# Altium PCB pcb_82.PcbDoc (part 2 of 2)
Units mil, origin at the board's own origin, x right, y up, seen from the top; angles counter-clockwise.
Board outline 3228.21 x 3071.33 mil, 4 copper layers (Top Layer, Layer 1, Layer 2, Bottom Layer), stack 61.855 mil thick; 164 components, 110 nets, 549 pads, 192 vias.
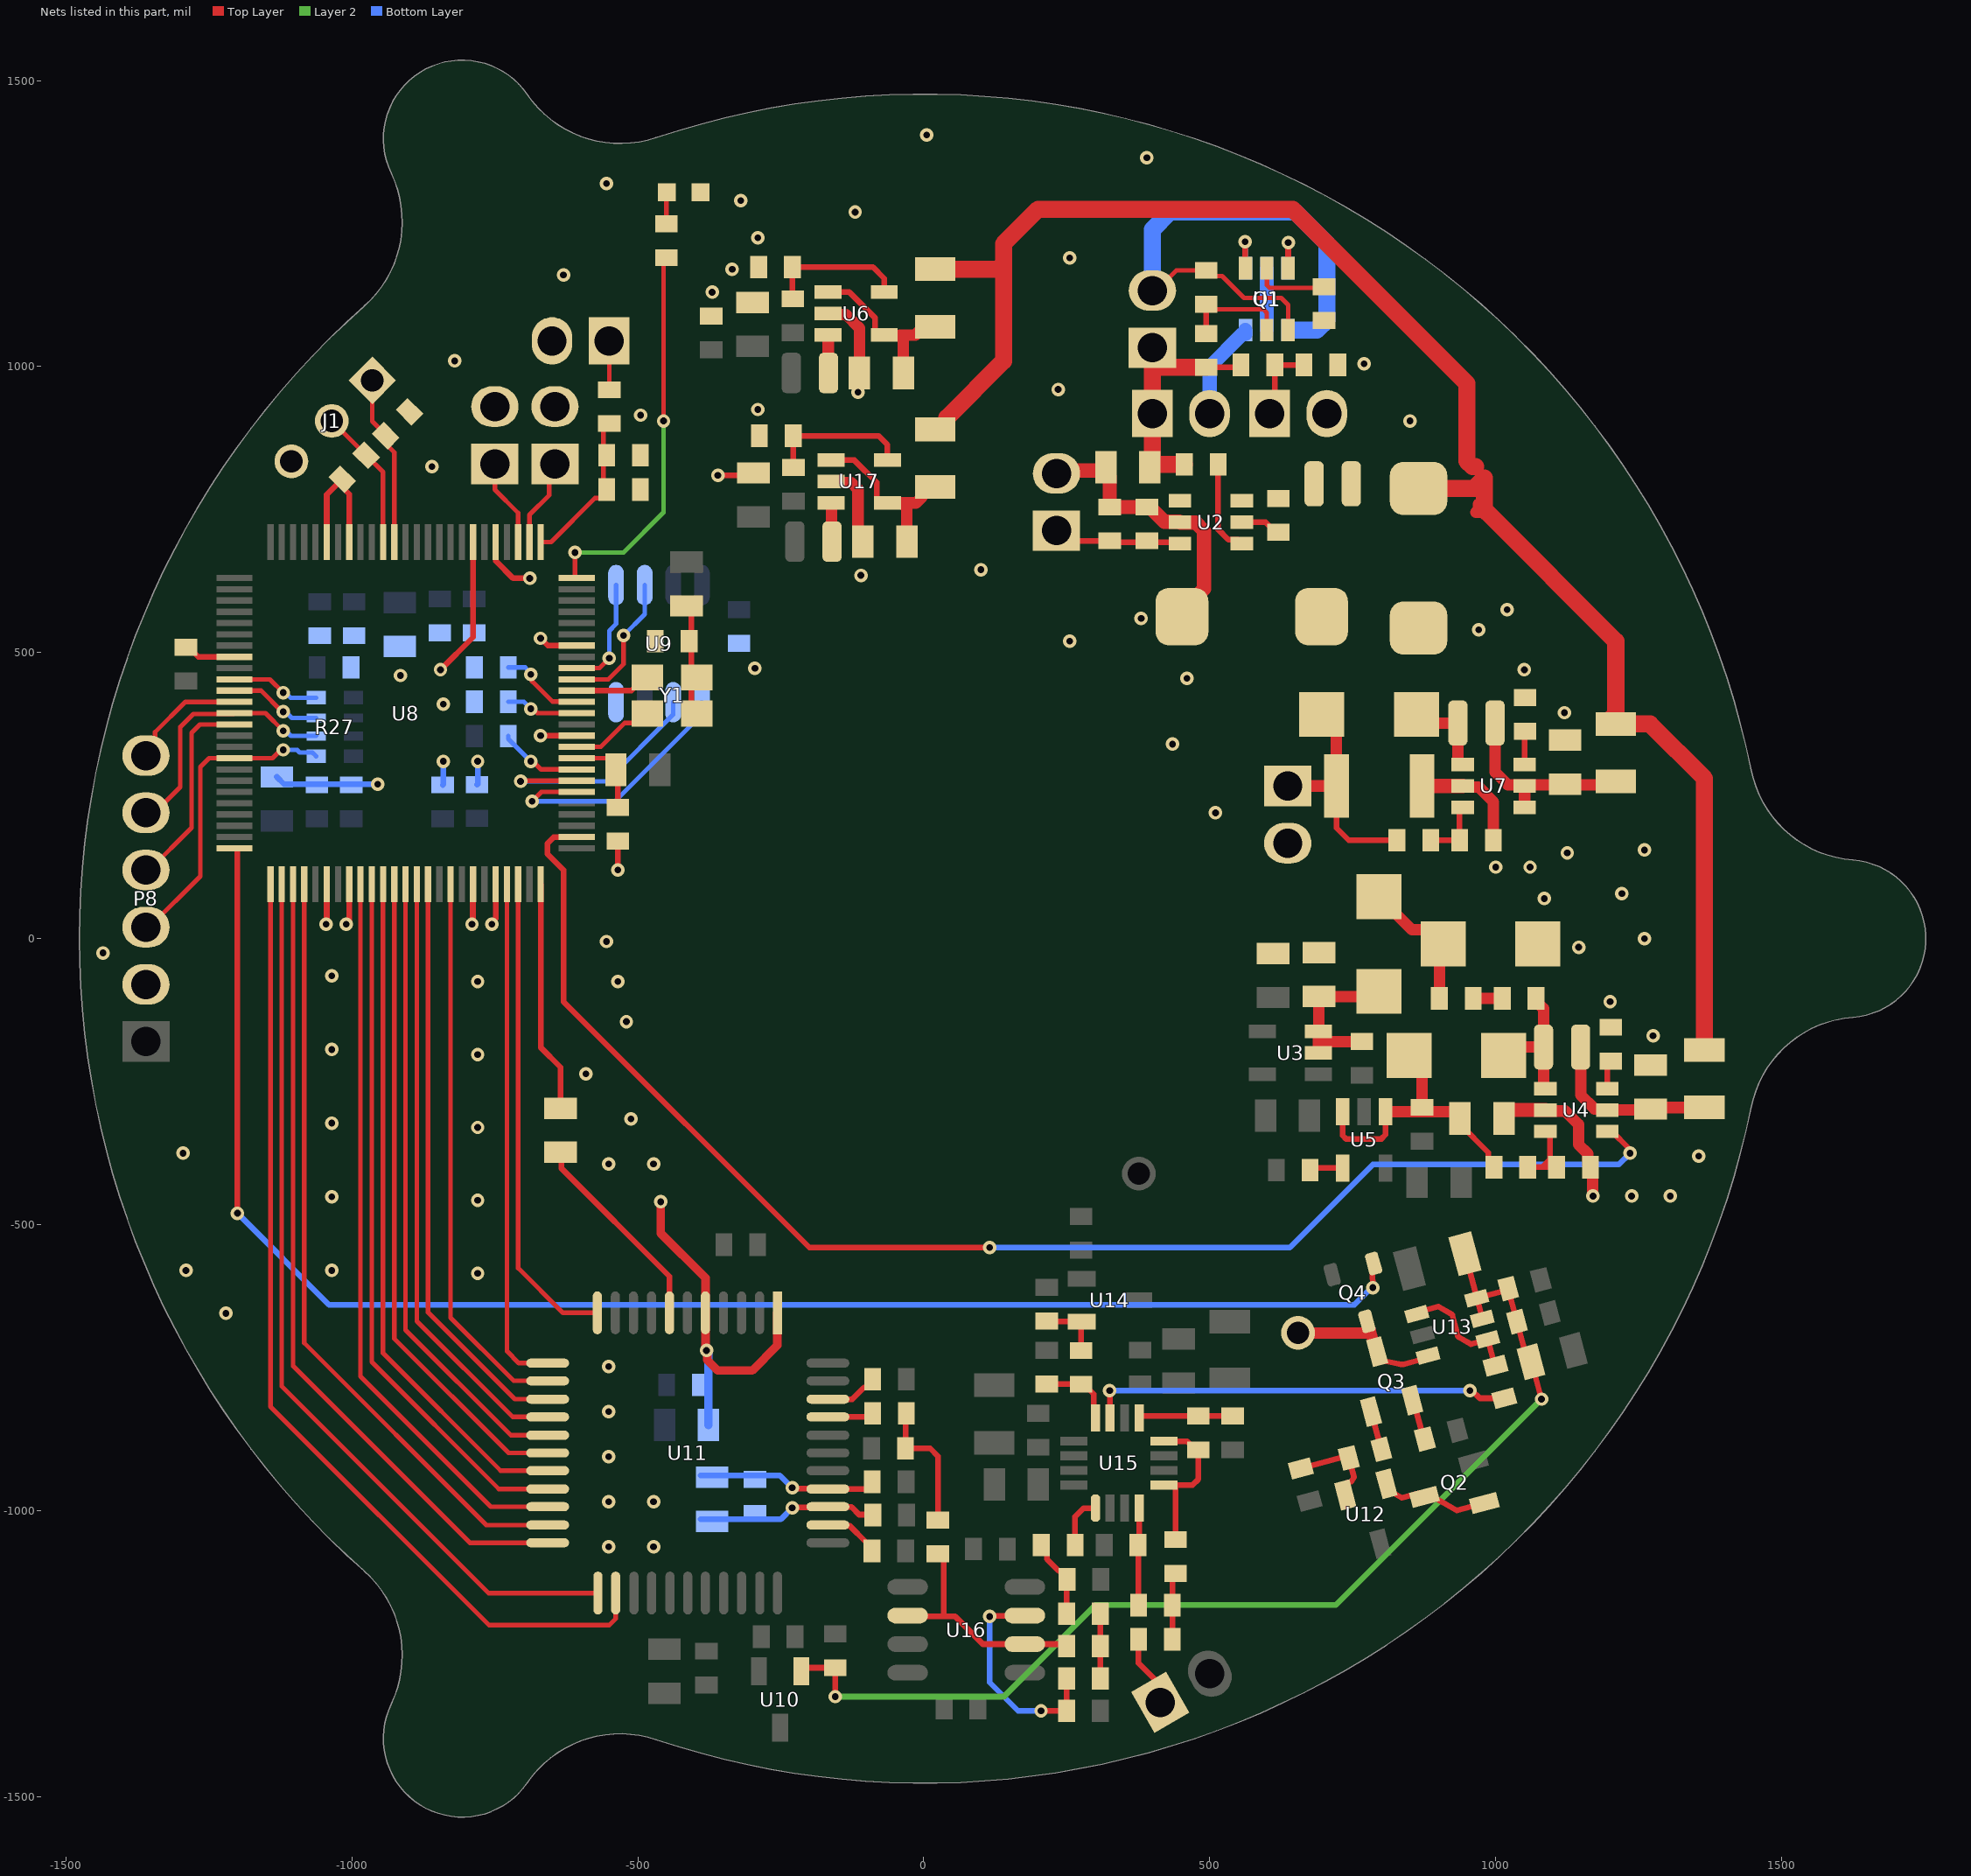
[diagram p4: the nets of this part, all layers, seen from the top]

## Via types
v1: diameter 23.62, hole 11.81, Top Layer to Bottom Layer, tented both sides, 188 vias
v2: diameter 23.62, hole 11.81, Top Layer to Bottom Layer, 4 vias

## Nets (pads, with @x,y where several pads share a name; then routed paths per layer and width w, separated by ;. In a path a pad name is that pad's centre, name@x,y a point inside that pad or via, vN(x,y) a via of type N, cw(c..) or ccw(c..) an arc to the next point about the centre after c; other vN are vias at no path point) (continued)
CS: U8.6 U9.1 | length 466.4
  Top Layer w8: v1(-685,240) -668.59,256.41 U8.6@-606.85,256.41
  Bottom Layer w8: v1(-685,240) -539.69,240 -388.03,391.66 U9.1@-388.03,413.32
D0: U8.98 U11.11 | length 841.7
  Top Layer w8: U8.98@-709.22,94.99 -709.22,-575.78 -630.96,-654.04 U11.11@-570.71,-654.04
D1: U8.97 U11.12 | length 895.9
  Top Layer w8: U8.97@-728.9,94.99 -728.9,-721.1 -707.96,-742.04 U11.12@-657.75,-742.04
D2: U8.92 U11.13 | length 973
  Top Layer w8: U8.92@-827.33,94.99 -827.33,-662.67 -716.96,-773.04 U11.13@-657.75,-773.04
D3: U8.90 U11.14 | length 1020.1
  Top Layer w8: U8.90@-866.7,94.99 -866.7,-653.3 -714.96,-805.04 U11.14@-657.75,-805.04
D4: U8.89 U11.15 | length 1061.6
  Top Layer w8: U8.89@-886.38,94.99 -886.38,-668.62 -718.96,-836.04 U11.15@-657.75,-836.04
D5: U8.88 U11.16 | length 1103.5
  Top Layer w8: U8.88@-906.07,94.99 -906.07,-683.93 -721.96,-868.04 U11.16@-657.75,-868.04
D6: U8.87 U11.17 | length 1145
  Top Layer w8: U8.87@-925.75,94.99 -925.75,-699.25 -725.96,-899.04 U11.17@-657.75,-899.04
D7: U8.86 U11.18 | length 1192.4
  Top Layer w8: U8.86@-945.44,94.99 -945.44,-724.56 -739.96,-930.04 U11.18@-657.75,-930.04
D8: U8.85 U11.19 | length 1234.3
  Top Layer w8: U8.85@-965.12,94.99 -965.12,-739.88 -742.96,-962.04 U11.19@-657.75,-962.04
D9: U8.84 U11.20 | length 1281.6
  Top Layer w8: U8.84@-984.81,94.99 -984.81,-765.19 -756.96,-993.04 U11.20@-657.75,-993.04
D10: U8.79 U11.21 | length 1359.1
  Top Layer w8: U8.79@-1083.23,94.99 -1083.23,-706.77 -764.96,-1025.04 U11.21@-657.75,-1025.04
D11: U8.78 U11.22 | length 1415.2
  Top Layer w8: U8.78@-1102.92,94.99 -1102.92,-747.08 -793.96,-1056.04 U11.22@-657.75,-1056.04
D12: U8.77 U11.23 | length 1580
  Top Layer w8: U8.77@-1122.6,94.99 -1122.6,-782.4 -760.96,-1144.04 U11.23@-569.75,-1144.04
D13: U8.76 U11.24 | length 1724
  Top Layer w8: U8.76@-1142.29,94.99 -1142.29,-817.71 -760,-1200 -550,-1200 -538.75,-1188.75 U11.24@-538.75,-1144.04
DATA0: U8.7 U9.2 | length 435.5
  Top Layer w8: v1(-705,275) -703.91,276.09 U8.7@-606.85,276.09
  Bottom Layer w8: v1(-705,275) -554.69,275 -438.03,391.66 U9.2@-438.03,413.32
DCLK: U8.16 U9.6 | length 246.3
  Top Layer w8: U8.16@-606.85,453.26 -551.74,453.26 -525,480 v1(-525,530)
  Bottom Layer w8: v1(-525,530) -488.03,566.97 U9.6@-488.03,618.04
DI: U8.17 U9.5 | length 196.9
  Top Layer w8: U8.17@-606.85,472.94 -567.06,472.94 v1(-550,490)
  Bottom Layer w8: v1(-550,490) -550,538.17 -538.03,550.14 U9.5@-538.03,618.04
GND: B1.2 C1.1 C4.1 C5.2 C6.2 C8.2 C11.1 C12.1 C15.1 C16.1 C17.1 C18.1 C19.1 C20.1 C23.2 C24.1 C26.1 C27.1 C28.1 C29.1 C30.1 C31.1 C32.1 C33.2 C34.1 C35.1 C36.1 C37.1 C38.1 C39.1 C40.1 C46.1 C47.1 D1.2 D3.2 J1.3 P1.2 P2.2 P3.2 P4.2 P5.2 P6.2 P7.2 P8.2 Q1.3 R2.2 R5.1 R6.2 R12.1 R13.1 R16.1 R18.1 R19.1 R21.1 R24.2 R25.2 R26.2 R28.1 R47.1 U2.2 U4.2 U6.2 U7.2 U8.11 U8.15 U8.19 U8.30 U8.32 U8.43 U8.45 U8.58 U8.81 U8.83 U8.94 U8.96 U9.4 U11.1 U11.5 U17.2 Y1.2 | length 3727.5
  Top Layer w10: C32.1@-1290,509.53 -1285.08,509.53 -1268.18,492.63 U8.58@-1205.28,492.63 ; v1(-1045,25) -1043.86,26.14 U8.81@-1043.86,94.99 ; U8.45@-1043.86,693.42 -1043.86,776.14 R24.2@-1016.76,803.24 -1016.76,789.43 -1004.49,777.17 U8.43@-1004.49,693.42 ; v1(-1010,25) -1004.49,30.51 U8.83@-1004.49,94.99 ; v1(-845,470) -787.96,527.04 U8.32@-787.96,693.42 ; v1(-790,25) -788.46,26.54 -788.46,94.49 U8.94@-787.96,94.99 ; v1(-755,25) -755,28.69 -748.59,35.1 U8.96@-748.59,94.99 ; U8.30@-748.59,693.42 -748.09,692.92 -748.09,660.05 -717.96,629.92 v1(-688.98,629.92) ; v1(-670,355) -669.83,354.83 U8.11@-606.85,354.83 ; v1(-670,525) -657.31,512.31 U8.19@-606.85,512.31 ; U8.15@-606.85,433.57 -511.15,433.57 -488.23,456.5 Y1.2@-483.31,456.5 ; v1(-535,120) C23.2@-535,170.47 ; v1(-360,810) -301.98,810 C20.1@-297.93,814.05
  Top Layer w15: v1(-460,-460) -460,-515 -381.75,-593.25 U11.5@-381.75,-654.04 -381.56,-654.23 -381.56,-718.44 -378.35,-721.65 -378.35,-736.65 -360,-755 -300,-755 -256.05,-711.05 -256.05,-654.34 U11.1@-255.75,-654.04
  Top Layer w20: U6.2@-167.53,1092.7 -165.72,1090.89 -135.89,1090.89 -112.52,1067.52 C15.1@-112.52,988.84 ; U17.2@-162.14,799.05 -160.33,797.24 -126.72,797.24 -115,785.53 -115,702.74 C19.1@-106.31,694.05 ; U7.2@942.18,266.93 944,265.12 969.88,265.12 995.85,239.15 R19.1@995.85,171.93 ; U4.2@1086.82,-299.51 1088.64,-301.32 1121.32,-301.32 1145,-325 1145,-360 1160.72,-375.72 1160.72,-394.74 R13.1@1165.49,-399.51 1169.31,-403.33 1169.31,-449.31 v1(1170,-450)
  Top Layer w25: P2.2@232.02,813.2 237.37,818.55 313.25,818.55 C1.1@318.59,823.89 318.59,814.05 325,807.64 R5.1@325,754.53 C4.1@390,754.53 394.92,754.53 420.56,728.89 447.2,728.89 448.58,727.51 475.36,727.51 490,712.87 490,611.42 451.32,572.74 C5.2@451.32,563.05 ; C18.1@871.12,266.93 U7.2@942.18,266.93 ; C12.1@1014.34,-314.51 1014.34,-305.71 1020.54,-299.51 U4.2@1086.82,-299.51
  Bottom Layer w10: C26.1@-1131.07,282.59 -1118.48,270 v1(-955,270) ; C34.1@-841.07,268.73 -840,269.8 v1(-840,310) ; C28.1@-781.07,269.2 -780,270.27 v1(-780,310)
  Bottom Layer w15: v1(-380,-720) -376.61,-720 C46.1@-376.61,-850
  Bottom Layer w25: P1.2@499.65,917.93 499.65,999.65 556.61,1056.61 561.56,1056.61 562.25,1057.3 Q1.3@562.25,1063.8
  other v1: -551.18,-1062.99 -472.44,-1062.99 -551.18,-984.25 -472.44,-984.25 -551.18,-905.51 -551.18,-826.77 -551.18,-748.03 -1220,-655 -780,-585 -1290,-580 -1035,-580 -780,-457.5 -1035,-451.25 1237.53,-450 1305.07,-450 -551.18,-393.7 -472.44,-393.7 1355,-380 -1295,-375 -780,-330 -1035,-322.5 -511.81,-314.96 -590.55,-236.22 -780,-202.5 -1035,-193.75 1275,-170 -520,-145 1200,-110 -780,-75 -535,-75 -1035,-65 -1435,-25 1145,-15 -555,-5 1259.84,0 1085,70 1220.47,78.74 1000,125 1060,125 1125,150 1260,155 510,220 435,340 1120,395 -840,410 460,455 -915,460 1050,470 -295.28,472.44 255,520 970,540 380,560 1020,575 -110,635 100,645 -860,825 850,905 -495,915 -290,925 -115,955 235,960 770,1005 -820,1010 -370,1130 -630,1160 -335,1170 255,1190 -290,1225 -120,1270 -320,1290 -555,1320 390,1365 5,1405
NetB2_1: B2.1 C23.1 U8.9 | length 153.7
  Top Layer w8: U8.9@-606.85,315.46 -537.09,315.46 B2.1@-525,303.38
  Top Layer w10: B2.1@-538.39,295 -535,291.61 C23.1@-535,229.53
NetB3_2: B3.2 C40.2 Y1.1 Y1.4 | length 191.6
  Top Layer w10: B3.2@-415,581.61 -406.69,573.31 Y1.4@-406.69,393.5
NetB4_1: B4.1 U8.100 | length 406
  Top Layer w10: U8.100@-669.85,94.99 -669.85,-190.15 -635,-225 B4.1@-635,-296.61
NetB4_2: B4.2 U11.7 | length 359.5
  Top Layer w10: B4.2@-635,-373.39 -633.77,-374.62 -633.77,-401.23 -444.73,-590.27 U11.7@-444.73,-654.04
NetBT1_2: BT1.2 C2.1 Q1.1 U1.6 | length 964.4
  Top Layer w8: BT1.2@399.65,1132.93 406.56,1132.93 441.72,1168.09 C2.1@493.55,1168.09 503.31,1158.33 521.67,1158.33 560,1120 625,1120 637.05,1107.95 U1.6@637.05,1063.8
  Bottom Layer w30: BT1.2@399.65,1132.93 399.65,1239.65 430,1270 650,1270 705,1215 705,1081.37 687.43,1063.8 650,1063.8
NetC2_2: C2.2 R1.2 U1.5 | length 194
  Top Layer w8: C2.2@493.55,1105 C2.2@493.55,1109.04 502.59,1100 593.79,1100 599.65,1094.14 U1.5@599.65,1063.8
  Top Layer w10: R1.2@493.55,1057.62 C2.2@493.55,1105
NetC3_1: C3.1 U2.4 | length 165.1
  Top Layer w10: C3.1@514.65,828.8 514.65,715.35 532.39,697.61 549.35,697.61 U2.4@556.16,690.8
NetC4_2: C4.2 P2.1 R5.2 U2.3 | length 225.1
  Top Layer w10: P2.1@232.02,713.2 249.75,695.47 R5.2@325,695.47 327.34,693.14 445.55,693.14 U2.3@447.89,690.8
NetC5_1: C5.1 L1.1 R3.2 U2.6
NetC8_1: C8.1 C9.1 D2.1 U3.2 U3.3 | length 300.5
  Top Layer w20: U3.2@690.17,-199.51 U3.3@690.17,-162.11 ; 690.56,-180 690.56,-101.67 C8.1@690.96,-101.28 786.86,-101.28 D2.1@795.96,-92.18 ; 690.59,-179.98 C9.1@765.96,-179.98
NetC10_1: C10.1 D2.2 D3.1 | length 244.4
  Top Layer w20: D2.2@795.96,73.17 853.61,15.52 883.26,15.52 D3.1@908.28,-9.51 901.43,-16.36 C10.1@901.43,-104.51
NetC10_2: C10.2 R8.2 | length 50.9
  Top Layer w20: C10.2@960.49,-104.51 R8.2@1011.43,-104.51
NetC11_2: C11.2 L2.1 L3.2 U4.5 | length 313.1
  Top Layer w20: L2.1@1148.44,-189.51 1148.44,-273.44 1172.69,-297.69 1193.28,-297.69 U4.5@1195.09,-299.51 1269.11,-299.51 1273.42,-295.2 L3.2@1365,-295.2
NetC12_2: C12.2 C13.1 D4.2 R10.2 U5.1 U5.3 | length 508.6
  Top Layer w10: U5.3@732.38,-302.6 732.38,-344.14 738.24,-350 800,-350 807.18,-342.82 U5.1@807.18,-302.6 ; C12.2@937.57,-314.51 937.57,-324.35 987.14,-373.91 987.14,-389.74 R10.2@996.9,-399.5
  Top Layer w20: U5.1@807.18,-302.6 928.87,-302.6 937.57,-311.3 C12.2@937.57,-314.51 ; D4.2@848.28,-204.51 870.96,-227.18 C13.1@870.96,-294.98
NetC15_2: C15.2 L4.2 U6.1 U6.4 | length 262
  Top Layer w10: U6.1@-167.53,1130.1 -130.1,1130.1 -85,1085 -85,1062.11 -78.19,1055.3 U6.4@-69.11,1055.3
  Top Layer w20: C15.2@-35.74,988.84 -35.74,1049.09 -41.95,1055.3 -14.8,1055.3 -4.13,1065.97 L4.2@-4.13,1073.84
NetC17_2: C17.2 L9.1 L10.2 U7.4 U7.5 | length 347.6
  Top Layer w20: L9.1@998.8,376.93 998.8,291.2 1021.26,268.74 1048.64,268.74 U7.5@1050.45,266.93 ; U7.4@1050.45,229.53 U7.5@1050.45,266.93 ; L10.2@1210,274.8 1203.94,268.74 1121.32,268.74 1052.26,268.74 U7.5@1050.45,266.93
NetC18_2: C18.2 D5.2 P4.1 R17.2 | length 408.9
  Top Layer w10: C18.2@721.52,266.93 721.52,193.48 743.07,171.93 R17.2@827.26,171.93
  Top Layer w20: P4.1@636.32,266.93 C18.2@721.52,266.93 721.52,366.38 D5.2@695.96,391.93
NetC19_2: C19.2 L11.2 U17.1 U17.4 | length 264.6
  Top Layer w10: U17.1@-162.14,836.45 -121.45,836.45 -82.34,797.34 -82.34,768.46 -75.53,761.65 U17.4@-63.72,761.65
  Top Layer w20: C19.2@-29.54,694.05 -29.6,694.11 -29.6,752.6 -38.66,761.65 -13.6,761.65 -2.93,772.32 L11.2@-2.93,779.05
NetC21_2: C21.2 U5.4 | length 58.3
  Top Layer w10: C21.2@675.49,-404.51 678.97,-401.02 U5.4@732.38,-401.02
NetC24_2: C24.2 R22.1 R47.2 U8.26 | length 273.2
  Top Layer w8: U8.26@-669.85,693.42 -651.58,693.42 -574.97,770.03 -565.29,770.03 -560,775.32 -560,845 -560,890.71 -550.24,900.47 R22.1@-550,900.47
NetC48_2: C48.2 C49.2 C50.2 C51.2 L7.2 U10.1 U13.5 U13.6 | length 1936
  Top Layer w10: U10.1@-213.78,-1280.76 -207.54,-1274.53 C51.2@-155,-1274.53 v1(-155,-1325) ; L7.2@946.27,-550.93 U13.6@967.04,-628.45 ; U13.6@966.7,-628.54 U13.6@967.04,-628.45 ; U13.5@976.38,-664.67 976.63,-664.24 U13.6@967.04,-628.45 ; C48.2@1054.3,-733.51 C50.2@1037.19,-669.68 C49.2@1021.66,-611.72 1020.23,-614.2 U13.6@967.04,-628.45 ; C48.2@1061.59,-739.68 1068.53,-762.19 v1(1080,-805) v1@1080,-801.31
  Layer 2 w10: v1(-155,-1325) 140,-1325 300,-1165 720,-1165 v1(1080,-805)
NetC54_1: C54.1 C56.1 C58.1 U11.37 | length 316.6
  Top Layer w10: v1(-230,-960) -228.98,-961.02 -168.77,-961.02 U11.37@-167.75,-962.04 -99.96,-962.04 -90.2,-952.27 C58.1@-90.2,-949.34
  Bottom Layer w10: C56.1@-390,-938.36 -251.64,-938.36 v1(-230,-960)
NetC54_2: C54.2 C56.2 C57.1 U11.36 | length 316
  Top Layer w10: v1(-230,-995) -229.02,-994.02 -168.73,-994.02 U11.36@-167.75,-993.04 -167.13,-993.66 -126.34,-993.66 -113.12,-1006.88 -89.98,-1006.88 C57.1@-89.22,-1007.65
  Bottom Layer w10: C56.2@-390,-1015.13 -250.13,-1015.13 v1(-230,-995)
NetC59_1: C59.1 R41.1 U16.2 U16.6 | length 414.2
  Top Layer w10: U16.6@-28.1,-1183.27 -26.37,-1185 35,-1185 ; C59.1@24.59,-1075.42 25.24,-1075.42 35,-1085.18 35,-1185 ; R41.1@249.62,-1236.81 246.09,-1233.27 U16.2@176.62,-1233.27 103.27,-1233.27 55,-1185 35,-1185
NetC59_2: C59.2 R32.1 R36.2 | length 235.2
  Top Layer w10: R32.1@-31.94,-830 -31.94,-890.86 R36.2@-32.12,-891.04 11.04,-891.04 24.59,-904.59 C59.2@24.59,-1016.36
NetC60_2: C60.2 Q3.3 Q4.3 U13.3 | length 268.3
  Top Layer w10: 776.36,-689.19 Q4.3@780.75,-684.8 ; Q3.3@790.32,-720.52 Q3.3@792.49,-721.77 806.04,-738.43 834.31,-744.11 ccw(c836.28,-734.3) 838.87,-743.96 868.23,-736.1 U13.3@881.48,-728.82
  Top Layer w20: C60.2@654.19,-689.19 776.36,-689.19 ; Q4.3@780.75,-684.8 Q3.3@790.32,-720.52
NetC61_1: C61.1 R39.1 U14.2 | length 111.9
  Top Layer w10: C61.1@215.13,-668.54 215.68,-669.09 275.36,-669.09 U14.2@275.9,-669.63 275.13,-670.4 R39.1@275.13,-719.96
NetC63_1: C63.1 P9.1 | length 125.7
  Top Layer w10: C63.1@375.47,-1225 375.47,-1266.55 413.4,-1304.48 P9.1@413.4,-1335
NetC63_2: C63.2 C64.1 R40.2 | length 117.7
  Top Layer w10: C63.2@434.53,-1225 434.53,-1115 R40.2@440,-1109.53
NetC64_2: C64.2 R44.1 U15.4 | length 174.3
  Top Layer w10: R44.1@371.52,-1063.01 R44.1@374.53,-1060 ; C64.2@375.47,-1165 375.47,-1044.89 376.82,-1043.54 U15.4@376.82,-995.55
NetC65_1: C65.1 R43.1 R45.2 | length 142.1
  Top Layer w10: R43.1@205.47,-1060 215.24,-1069.76 215.24,-1084.76 235.79,-1105.32 240.71,-1105.32 250.47,-1115.08 R45.2@250.47,-1120 250.05,-1120.42 250.05,-1179.82 C65.1@249.63,-1180.24
NetC65_2: C65.2 C66.1 R41.2 | length 113.1
  Top Layer w10: C66.1@308.68,-1293.38 C65.2@308.68,-1180.24
NetC66_2: C66.2 R46.1 U16.3 | length 389.3
  Top Layer w10: v1(115,-1185) 115.86,-1184.14 175.76,-1184.14 U16.3@176.62,-1183.27 ; v1(205,-1350) 249.57,-1350 R46.1@249.63,-1349.95 C66.2@249.63,-1293.38
  Bottom Layer w10: v1(115,-1185) 115,-1300 165,-1350 v1(205,-1350)
NetC67_2: C67.2 R42.1 U15.9 | length 165.2
  Top Layer w10: U15.9@376.82,-838.07 376.82,-837.36 379.7,-834.49 C67.2@540.13,-834.49
NetD1_1: D1.1 R23.2 | length 55.7
  Top Layer w8: R23.2@-450,1249.53 -450,1304.53 D1.1@-449.53,1305
NetD4_1: D4.1 L2.2 R8.1 U4.1 | length 241.3
  Top Layer w20: D4.1@1013.64,-204.51 1028.64,-189.51 L2.2@1083.48,-189.51 ; R8.1@1070.49,-104.51 1070.49,-109.43 1083.48,-122.42 L2.2@1083.48,-189.51 ; U4.1@1086.82,-262.1 1085.29,-262.1 1083.48,-260.29 L2.2@1083.48,-189.51
NetD5_1: D5.1 L9.2 U7.1 | length 158.6
  Top Layer w20: D5.1@861.32,391.93 876.32,376.93 L9.2@933.84,376.93 933.84,306.14 935.65,304.33 U7.1@942.18,304.33
NetL8_1: L8.1 U6.3 | length 66.8
  Top Layer w20: U6.3@-167.53,1055.3 -167.09,1054.86 -167.09,989.28 L8.1@-166.65,988.84
NetL12_1: L12.1 U17.3 | length 68.3
  Top Layer w20: U17.3@-162.14,761.65 -161.3,760.81 -161.3,694.9 L12.1@-160.45,694.05
NetP3_1: P3.1 R4.2 R6.1 | length 139.7
  Top Layer w10: P3.1@604.65,917.93 613.7,926.99 R4.2@613.7,1002.93 R6.1@664.65,1002.93
NetP7_1: P7.1 R22.2 | length 85.5
  Top Layer w8: R22.2@-550,959.53 P7.1@-550,1045
NetQ1_2: Q1.2 Q1.5 | length 108.3
  Bottom Layer w25: Q1.2@599.65,1063.8 Q1.5@599.65,1172.07
NetQ1_4: Q1.4 U1.3 | length 93
  Top Layer w8: U1.3@561.97,1172.35 U1.3@562.25,1172.07
  Top Layer w10: v1(561.69,1218.31) 561.97,1218.03 U1.3@561.97,1172.35
  Bottom Layer w10: v1(561.69,1218.31) 561.97,1218.03 561.97,1172.35 Q1.4@562.25,1172.07
NetQ1_6: Q1.6 U1.1 | length 89.7
  Top Layer w8: U1.1@637.05,1172.07 U1.1@637.1,1172.12
  Top Layer w10: U1.1@637.1,1172.12 637.1,1216.83 v1(637.15,1216.88)
  Bottom Layer w10: Q1.6@637.05,1172.07 637.1,1172.12 637.1,1216.83 v1(637.15,1216.88)
NetQ2_1: Q2.1 Q2.3 U12.1 | length 194.9
  Top Layer w10: U12.1@809.01,-953.11 811.81,-963.57 835.82,-977.43 864.8,-969.67 Q2.3@875.55,-975.87 886.01,-973.07 931.82,-999.52 Q2.1@980.3,-986.53
NetQ3_1: Q3.1 R31.1 | length 68.8
  Top Layer w10: Q3.1@781.83,-826.52 782.21,-826.74 799.78,-892.33 R31.1@800.16,-892.55
NetQ3_2: Q3.2 R30.1 | length 72.6
  Top Layer w10: Q3.2@854.09,-807.16 856.4,-808.5 873.8,-873.42 R30.1@876.12,-874.76
NetQ4_1: Q4.1 U8.75 | length 2748.6
  Top Layer w10: U8.75@-1205.28,157.98 -1200,157.48 v1(-1200,-480) ; v1(785,-610) 784.22,-582.89 Q4.1@786.36,-568.06
  Bottom Layer w10: v1(-1200,-480) -1040,-640 752.71,-640 782.71,-610 v1(785,-610)
NetR2_1: R2.1 U1.2 | length 141.7
  Top Layer w8: U1.2@599.65,1172.07 600,1171.71 600,1142.15 604.69,1137.46 R2.1@709.65,1137.46
NetR3_1: R3.1 U2.5 | length 71.2
  Top Layer w10: U2.5@556.16,728.2 597.35,728.2 615.08,710.47 R3.1@620,710.47
NetR10_1: R10.1 R13.2 U4.3 | length 123
  Top Layer w10: R10.1@1055.96,-399.51 1081.19,-399.51 ; U4.3@1086.82,-336.91 1088.19,-336.91 1095,-343.72 1095,-385.7 1081.19,-399.51 ; R13.2@1106.43,-399.51 1081.19,-399.51
NetR12_2: R12.2 U4.6 | length 50.5
  Top Layer w10: U4.6@1195.09,-262.1 1195.09,-219.9 R12.2@1200.96,-214.03
NetR15_1: R15.1 R16.2 U6.5 | length 248.3
  Top Layer w10: R15.1@-229.13,1118.37 -229.6,1118.84 R16.2@-229.6,1173.84 -88.84,1173.84 -69.11,1154.11 U6.5@-69.11,1130.1
NetR17_1: R17.1 R19.2 U7.3 | length 110.3
  Top Layer w10: R17.1@886.32,171.93 R19.2@936.79,171.93 936.79,224.13 U7.3@942.18,229.53
NetR18_2: R18.2 U7.6 | length 58.4
  Top Layer w10: U7.6@1050.45,304.33 1050.45,361.53 R18.2@1051.32,362.4
NetR20_1: R20.1 R21.2 U17.5 | length 254
  Top Layer w10: R20.1@-227.93,823.58 -228.4,824.05 R21.2@-228.4,879.05 -79.05,879.05 -63.72,863.72 U17.5@-63.72,836.45
NetR23_1: R23.1 U8.25 | length 678.4
  Top Layer w8: v1(-610,675) -610,631.92 -608.5,630.42 U8.25@-606.85,630.42 ; v1(-455,905) -455,1185.47 R23.1@-450,1190.47
  Layer 2 w8: v1(-610,675) -525,675 -455,745 v1(-455,905)
NetR26_1: R26.1 U8.13 | length 128.1
  Top Layer w8: v1(-687.26,401.8) -684.65,399.19 -680.5,399.19 -675.52,394.2 U8.13@-606.85,394.2
  Bottom Layer w8: R26.1@-726.54,414.2 -699.41,414.2 -687.26,402.05 v1(-687.26,401.8)
NetR27_3: R27.3 U8.61 | length 162.6
  Top Layer w8: U8.61@-1205.28,433.57 -1158.57,433.57 -1121.67,396.67 v1(-1120,396.67)
  Bottom Layer w8: v1(-1120,396.67) -1115.77,396.67 -1104.85,385.75 R27.3@-1062.48,385.75
NetR27_4: R27.4 U8.60 | length 156.1
  Top Layer w8: U8.60@-1205.28,453.26 -1143.26,453.26 v1(-1120,430)
  Bottom Layer w8: v1(-1120,430) -1115.77,430 -1106.95,421.18 R27.4@-1062.48,421.18
NetR28_2: R28.2 U8.14 | length 151.7
  Top Layer w8: v1@-685,462.05 -684.65,461.7 -684.65,449.65 -649.39,414.39 -607.35,414.39 U8.14@-606.85,413.89
  Bottom Layer w8: R28.2@-726.54,474.2 -697.15,474.2 v1@-685,462.05
  other v1: -687.26,462.05
NetR29_2: R29.2 U8.8 | length 146.8
  Top Layer w8: v1(-687.26,310) -683.57,310 -669.35,295.78 U8.8@-606.85,295.78
  Bottom Layer w8: R29.2@-726.54,354.2 -726.54,349.28 v1(-687.26,310)
NetR31_2: R31.2 R35.2 U12.2 | length 162.3
  Top Layer w10: R35.2@659.12,-926.17 738.18,-904.98 R31.2@743.12,-907.83 752.09,-941.34 747.5,-949.29 740.16,-951.26 733.95,-962.01 U12.2@736.75,-972.47
NetR32_2: R32.2 U11.41 | length 80.7
  Top Layer w10: U11.41@-167.75,-836.04 -95.57,-836.04 R32.2@-89.53,-830
NetR33_2: R33.2 U11.42 | length 95.6
  Top Layer w10: U11.42@-167.75,-805.04 -125.04,-805.04 -104.68,-784.68 -99.29,-784.68 -89.53,-774.92 R33.2@-89.53,-770
NetR34_2: R34.2 U11.35 | length 98.6
  Top Layer w10: U11.35@-167.75,-1025.04 -166.6,-1026.19 -129.9,-1026.19 -100.5,-1055.59 -90.73,-1065.36 R34.2@-90.73,-1070.28
NetR37_1: R37.1 U13.1 U13.4 | length 213.4
  Top Layer w10: U13.1@862.12,-656.57 864.31,-652.77 899.52,-643.34 924.01,-657.48 934.36,-696.12 956.28,-708.78 U13.4@986.06,-700.8 998.04,-745.52 R37.1@999.6,-746.42
NetR37_2: R37.2 U15.11 | length 743.8
  Top Layer w10: v1(325,-790) 325.32,-790.32 325.32,-837.75 U15.11@325.64,-838.07 ; v1(955,-790) 958.69,-790 972.15,-803.46 R37.2@1014.89,-803.46
  Bottom Layer w10: v1(325,-790) v1(955,-790)
NetR38_1: R38.1 R39.2 U15.12 | length 132.5
  Top Layer w10: R38.1@215.13,-778.54 215.37,-778.78 274.89,-778.78 R39.2@275.13,-779.01 280.05,-779.01 297.19,-796.15 297.19,-835.21 U15.12@300.05,-838.07
NetR40_1: R40.1 R42.2 U15.5 U15.8 | length 278.9
  Top Layer w10: U15.5@420.13,-955.19 U15.5@435.88,-955.19 ; U15.8@420.13,-878.42 460.09,-878.42 475.21,-893.54 R42.2@480.13,-893.54 480.13,-944.87 469.81,-955.19 U15.5@435.88,-955.19 ; R40.1@440,-1050.47 440,-959.31 U15.5@435.88,-955.19
NetR43_2: R43.2 U15.1 | length 91.2
  Top Layer w10: R43.2@264.53,-1060 264.53,-1010.47 279.45,-995.55 U15.1@300.05,-995.55
NetU4_4: U4.4 U8.2 | length 2514.8
  Top Layer w10: U8.2@-606.85,177.67 -607.35,177.17 -647.18,177.17 -658.35,166 -658.35,148.35 -630,120 -630,-110 -200,-540 v1(115,-540) ; U4.4@1195.09,-336.91 1202.97,-336.91 1232.39,-366.33 1232.39,-372.39 v1(1235,-375)
  Bottom Layer w10: v1(115,-540) 640,-540 785,-395 1215,-395 v1(1235,-375)
NetU8_10: U8.10 Y1.3 | length 147.7
  Top Layer w8: U8.10@-606.85,335.15 -564.85,335.15 -522.99,377.01 -499.8,377.01 Y1.3@-483.31,393.5
PULSE1: J1.2 R24.1 U8.40 | length 248.7
  Top Layer w8: J1.2@-1035,905 R24.1@-975,845 -945.44,815.44 U8.40@-945.44,693.41
PULSE2: J1.1 R25.1 U8.39 | length 298.3
  Top Layer w8: J1.1@-964.29,975.71 -964.29,904.29 -940.88,880.88 -940.88,865.31 -925.75,850.19 U8.39@-925.75,693.41
TCK: P8.6 U8.62 | length 208.3
  Top Layer w8: P8.6@-1360,320 -1344.01,335.99 -1344.01,360.99 -1291.11,413.89 U8.62@-1205.28,413.89
TDI: P8.3 R27.1 U8.67 | length 542.4
  Top Layer w8: P8.3@-1360,20 -1354.09,20 -1265,109.09 -1265,300 -1249.54,315.46 U8.67@-1205.28,315.46 -1138.76,315.46 -1124.23,330 v1(-1120,330)
  Bottom Layer w8: v1(-1120,330) -1095.68,330 -1091.21,325.53 -1069.19,325.53 R27.1@-1062.48,318.82
TDO: P8.4 U8.64 | length 357.3
  Top Layer w8: P8.4@-1360,120 -1354.09,120 -1280,194.09 -1280,360 -1265.48,374.52 U8.64@-1205.28,374.52
TMS: P8.5 R27.2 U8.63 | length 447.7
  Top Layer w8: P8.5@-1360,220 -1345,220 -1300,265 -1300,370 -1277.3,392.7 -1206.78,392.7 U8.63@-1205.28,394.2 -1150.87,394.2 v1(-1120,363.33)
  Bottom Layer w8: v1(-1120,363.33) -1115.77,363.33 -1106.69,354.25 R27.2@-1062.48,354.25
TXD1: P5.1 U8.28 | length 153.5
  Top Layer w8: P5.1@-750,830 -750,785 -709.22,744.22 U8.28@-709.22,693.42
TXD2: P6.1 U8.27 | length 155
  Top Layer w8: U8.27@-689.53,693.41 -689.53,740.47 -655,775 -655,820 P6.1@-645,830
V_SW: C6.1 L1.2 L3.1 L4.1 L10.1 L11.1 | length 2987.7
  Top Layer w20: 970,760 970,750 965,745 985,745
  Top Layer w30: L11.1@20,890.2 34.76,890.2 40.43,895.87 40.43,910.63 139.57,1009.76 139.57,1180 ; L4.1@20,1170.2 129.76,1170.2 139.57,1180 ; C6.1@865,787.05 962.05,787.05 980,805 980,750 985,745 1210,520 L10.1@1210,384.35 ; 965,825 959.49,825 949.49,835 949.49,970.51 645,1275 200,1275 139.57,1214.57 139.57,1180 ; L10.1@1200.85,384.35 L10.1@1210,384.35 ; L10.1@1210,375.2 L10.1@1210,380.87 ; L3.1@1365,-194.8 1365,280 1269.77,375.23 1215.64,375.23 L10.1@1210,380.87 ; L10.1@1210,380.87 L10.1@1210,384.35
VBAT: BT1.1 C1.2 C3.2 P1.1 R1.1 R4.1 U2.1 | length 392
  Top Layer w10: R1.1@493.55,998.56 550.28,998.56 R4.1@554.65,1002.93
  Top Layer w30: C3.2@455.59,828.8 407.22,828.8 ccw(c407.22,812.04) C1.2@395.37,823.89 ccw(c385.03,834.23) 399.65,834.23 399.65,995 403.21,998.56 R1.1@493.55,998.56
pads on no net: U1.4 U3.4 U8.1 U8.3 U8.4 U8.5 U8.12 U8.20 U8.21 U8.22 U8.23 U8.24 U8.29 U8.34 U8.35 U8.36 U8.37 U8.38 U8.41 U8.42 U8.47 U8.48 U8.49 U8.50 U8.51 U8.52 U8.53 U8.54 U8.55 U8.56 U8.57 U8.65 U8.66 U8.68 U8.69 U8.70 U8.71 U8.72 U8.73 U8.74 U8.91 U8.99 U11.8 U11.9 U11.10 U11.25 U11.26 U11.27 U11.30 U11.34 U11.38 U11.40 U11.43 U11.44 U12.3 U15.6 U15.7 U15.14 U15.15 U15.16 U16.1 U16.5 U16.8
copper on no net:
  other v2: 320.72,-934.52 355.17,-934.52 320.72,-898.11 356.15,-898.11

## Polygon pours and split planes (outlines as drawn)
+5V on Layer 2 "+5V_L03_P003" (solid, remove dead copper, pour order 3): -506.94,-1386.62 ccw(c0,0) 1345.41,-607.92 1345.39,-607.91 490.06,-45.01 cw(c0,0) -361.38,-334.06
GND on Layer 2 "GND_L03_P011" (solid, remove dead copper, pour order 11): -931.33,-1338.27 ccw(c-1108.8,-1253.1) -978.36,-1105.67 cw(c-0.02,0.02) -978.36,1105.71 ccw(c-1108.8,1253.13) -931.33,1338.31 cw(c-807.11,1397.93) -693.36,1475.7 ccw(c-530.86,1586.81) -468.41,1400.13 cw(c-0.02,0.02) 1446.7,294.44 ccw(c1639.6,333.69) 1624.63,137.41 cw(c1614.15,0.02) 1624.63,-137.38 ccw(c1639.6,-333.66) 1446.7,-294.4 cw(c-0.02,0.02) -468.41,-1400.09 ccw(c-530.86,-1586.77) -693.36,-1475.67 cw(c-807.11,-1397.9)
+1.5V on Layer 2 "+1.5V_L03_P005" (solid, remove dead copper, pour order 5): -1472.26,112.15 -479.18,112.15 cw(c0,0) -201.31,449.07 -194.05,454.56 -170.5,624.87 -275.73,763.88 -277.34,762.66 -1264.14,762.66 ccw(c0,0)
AGND on Layer 1 "AGND_L02_P010" (solid, remove dead copper, pour order 10): -506.94,-1386.62 ccw(c0,0) 1345.41,-607.92 1345.39,-607.91 490.06,-45.01 cw(c0,0) -290.36,-397.34 -290.35,-397.32
GND on Layer 1 "GND_L02_P014" (solid, remove dead copper, pour order 14): -931.33,-1338.27 ccw(c-1108.8,-1253.1) -978.36,-1105.67 cw(c-0.02,0.02) -978.36,1105.71 ccw(c-1108.8,1253.13) -931.33,1338.31 cw(c-807.11,1397.93) -693.36,1475.7 ccw(c-530.86,1586.81) -468.41,1400.13 cw(c-0.02,0.02) 1446.7,294.44 ccw(c1639.6,333.69) 1624.63,137.41 cw(c1614.15,0.02) 1624.63,-137.38 ccw(c1639.6,-333.66) 1446.7,-294.4 cw(c-0.02,0.02) -468.41,-1400.09 ccw(c-530.86,-1586.77) -693.36,-1475.67 cw(c-807.11,-1397.9)
GND on Top Layer "GND_L01_P013" (solid, remove dead copper, pour order 13): -931.33,-1338.27 ccw(c-1108.8,-1253.1) -978.36,-1105.67 cw(c-0.02,0.02) -978.36,1105.71 ccw(c-1108.8,1253.13) -931.33,1338.31 cw(c-807.11,1397.93) -693.36,1475.7 ccw(c-530.86,1586.81) -468.41,1400.13 cw(c-0.02,0.02) 1446.7,294.44 ccw(c1639.6,333.69) 1624.63,137.41 cw(c1614.15,0.02) 1624.63,-137.38 ccw(c1639.6,-333.66) 1446.7,-294.4 cw(c-0.02,0.02) -468.41,-1400.09 ccw(c-530.86,-1586.77) -693.36,-1475.67 cw(c-807.11,-1397.9)
AGND on Top Layer "AGND_L01_P009" (solid, remove dead copper, pour order 9): -506.94,-1386.62 ccw(c0,0) 1345.41,-607.92 1345.39,-607.91 490.06,-45.01 cw(c0,0) -290.36,-397.34 -290.35,-397.32
AGND on Bottom Layer "AGND_L04_P012" (solid, remove dead copper, pour order 12): -506.94,-1386.62 ccw(c0,0) 1345.41,-607.92 1345.39,-607.91 490.06,-45.01 cw(c0,0) -290.36,-397.34 -290.35,-397.32
GND on Bottom Layer "GND_L04_P015" (solid, remove dead copper, pour order 15): -931.33,-1338.27 ccw(c-1108.8,-1253.1) -978.36,-1105.67 cw(c-0.02,0.02) -978.36,1105.71 ccw(c-1108.8,1253.13) -931.33,1338.31 cw(c-807.11,1397.93) -693.36,1475.7 ccw(c-530.86,1586.81) -468.41,1400.13 cw(c-0.02,0.02) 1446.7,294.44 ccw(c1639.6,333.69) 1624.63,137.41 cw(c1614.15,0.02) 1624.63,-137.38 ccw(c1639.6,-333.66) 1446.7,-294.4 cw(c-0.02,0.02) -468.41,-1400.09 ccw(c-530.86,-1586.77) -693.36,-1475.67 cw(c-807.11,-1397.9)

## Keep-outs
Bottom Layer:
  lines w20: -1047.5,-1248.32 cw(c-957.02,-1324.24) -887.84,-1228.51 ccw(c-0.02,0.02) -620.04,-1383.12 cw(c-668.36,-1490.89) -557.37,-1531.29 ; -1047.5,1248.35 ccw(c-957.02,1324.27) -887.84,1228.54 cw(c-0.02,0.02) -620.04,1383.15 ccw(c-668.36,1490.93) -557.37,1531.33 ; 1604.81,-282.96 cw(c1625.32,-166.64) 1507.82,-154.59 ccw(c-0.02,0.02) 1507.82,154.63 cw(c1625.32,166.68) 1604.81,282.99
Keep-Out Layer:
  circle w20: c1614.17,0 r137.8
  circle w20: c-807.09,1397.91 r137.8
  circle w20: c-807.09,-1397.91 r137.8
  circle w10: c0,0 r492.13
  lines w20: -978.36,-1105.67 cw(c-1108.8,-1253.1) -931.33,-1338.27 ccw(c-807.11,-1397.9) -693.36,-1475.67 cw(c-530.86,-1586.77) -468.41,-1400.09 ccw(c-0.02,0.02) 1446.7,-294.4 cw(c1639.6,-333.66) 1624.63,-137.38 ccw(c1614.15,0.02) 1624.63,137.41 cw(c1639.6,333.69) 1446.7,294.44 ccw(c-0.02,0.02) -468.41,1400.13 cw(c-530.86,1586.81) -693.36,1475.7 ccw(c-807.11,1397.93) -931.33,1338.31 cw(c-1108.8,1253.13) -978.36,1105.71 ccw(c-0.02,0.02) -978.36,-1105.67

## Other copper
Top Layer:
  rectangle net +1.5V: -330,650 -230,760
  region net +5V: 826.53,-619.33 860.58,-610.2 833.97,-510.87 799.91,-520
  region net +5V: 799.91,-389.27 799.91,-520 880,-520 880,-389.27
  region net +5V: 852.43,-612.39 901.16,-599.33 845.89,-393.06 797.17,-406.12
  rectangle net NetD4_1: 975,-255 1100,-165
  rectangle net NetC21_2: 660,-495 770,-375
  rectangle net V_SW: 725,735 995,850
  rectangle net NetC5_1: 660,570 700,780
  rectangle net NetC5_1: 545,755 700,850
  rectangle net VBAT: 431.41,755 465,828.8
  pour cut-out: 767.72,826.77 767.72,649.94 1043.31,649.94 1043.31,826.77
  pour cut-out: 590.55,669.29 590.55,472.44 787.4,472.44 787.4,669.29

## Silkscreen, mask and mechanical layers (free items; w line width, h text height)
Top Overlay:
  lines w10: -890,990 -595,1285 ; -797.5,1177.5 -750,1130 ; -320,1315 275,1315 ; -125,1315 -125,1350 ; 0,1320 0,1345 ; 140,1315 110,1315 110,995 190,915 315,915 ; 185,1315 185,1350 ; 260,-1415 325,-1415 360,-1380 ; 295,895 315,915 ; 295,935 315,915 ; 340,-1380 360,-1380 ; 360,-1400 360,-1380
  text "地" at -88.44,1342.55 h80
  text "地" at 215.04,1342.55 h80
  text "充电正" at -340,1341.99 h80
  text "检测" at 37.66,1341.73 h80
  text "PULSE2" at -750,1157.07 h35 r45
  text "DIN" at -575,1120 h35
  text "电池负" at 140,1107.25 h80
  text "地" at -794.96,1008.63 h80
  text "PULSE1" at -905,1007.07 h35 r45
  text "电池正" at 145,1000.03 h80
  text "GND" at 164,771 h35 r90
  text "TXD1" at -850,735 h35
  text "TXD2" at -715,735 h35
  text "GND" at -1210,708.49 h35 r45
  text "电源使能" at 3.12,522 h80 r15
  text "+12V" at 446,246 h35
  text "GND" at 481,126 h35
  text "TCK" at -1244,-54 h35
  text "TMS" at -1244,-114 h35
  text "TDO" at -1244,-174 h35
  text "TDI" at -1244,-234 h35
  text "GND" at -1244,-294 h35
  text "VCC" at -1244,-354 h35
  text "AGND" at 562.2,-1266.8 h40 r30
  text "SIN" at 146,-1439 h40
Mechanical 1:
  circle w5: c-807.09,-1397.91 r68.9
  circle w5: c1614.17,0 r68.9
  circle w5: c-807.09,1397.91 r68.9
  circle w5: c-0.02,0.02 r492.13
  lines w5: -978.36,-1105.67 cw(c-1108.8,-1253.1) -931.33,-1338.27 ccw(c-807.11,-1397.9) -693.36,-1475.67 cw(c-530.86,-1586.77) -468.41,-1400.09 ccw(c-0.02,0.02) 1446.7,-294.4 cw(c1639.6,-333.66) 1624.63,-137.38 ccw(c1614.15,0.02) 1624.63,137.41 cw(c1639.6,333.69) 1446.7,294.44 ccw(c-0.02,0.02) -468.41,1400.13 cw(c-530.86,1586.81) -693.36,1475.7 ccw(c-807.11,1397.93) -931.33,1338.31 cw(c-1108.8,1253.13) -978.36,1105.71 ccw(c-0.02,0.02) -978.36,-1105.67
Top Component Outline:
  lines w10: -1472.26,112.15 -479.18,112.15 cw(c0,0) -201.31,449.07 -194.05,454.56 -170.5,624.87 -275.73,763.88 ; -1472.11,112.15 cw(c0,0) -1264.14,762.66 -277.34,762.66 ; -290.36,-397.34 ccw(c0,0) 490.06,-45.01 1345.39,-607.91 cw(c0,0) -506.94,-1386.62 -290.35,-397.32

## Text inside footprints (layer, text, board x,y; h text height)
D1: Bottom 3D Body "K" at -388.5,1297.13 h29.53